# KiCad board Right.kicad_pcb (continued)
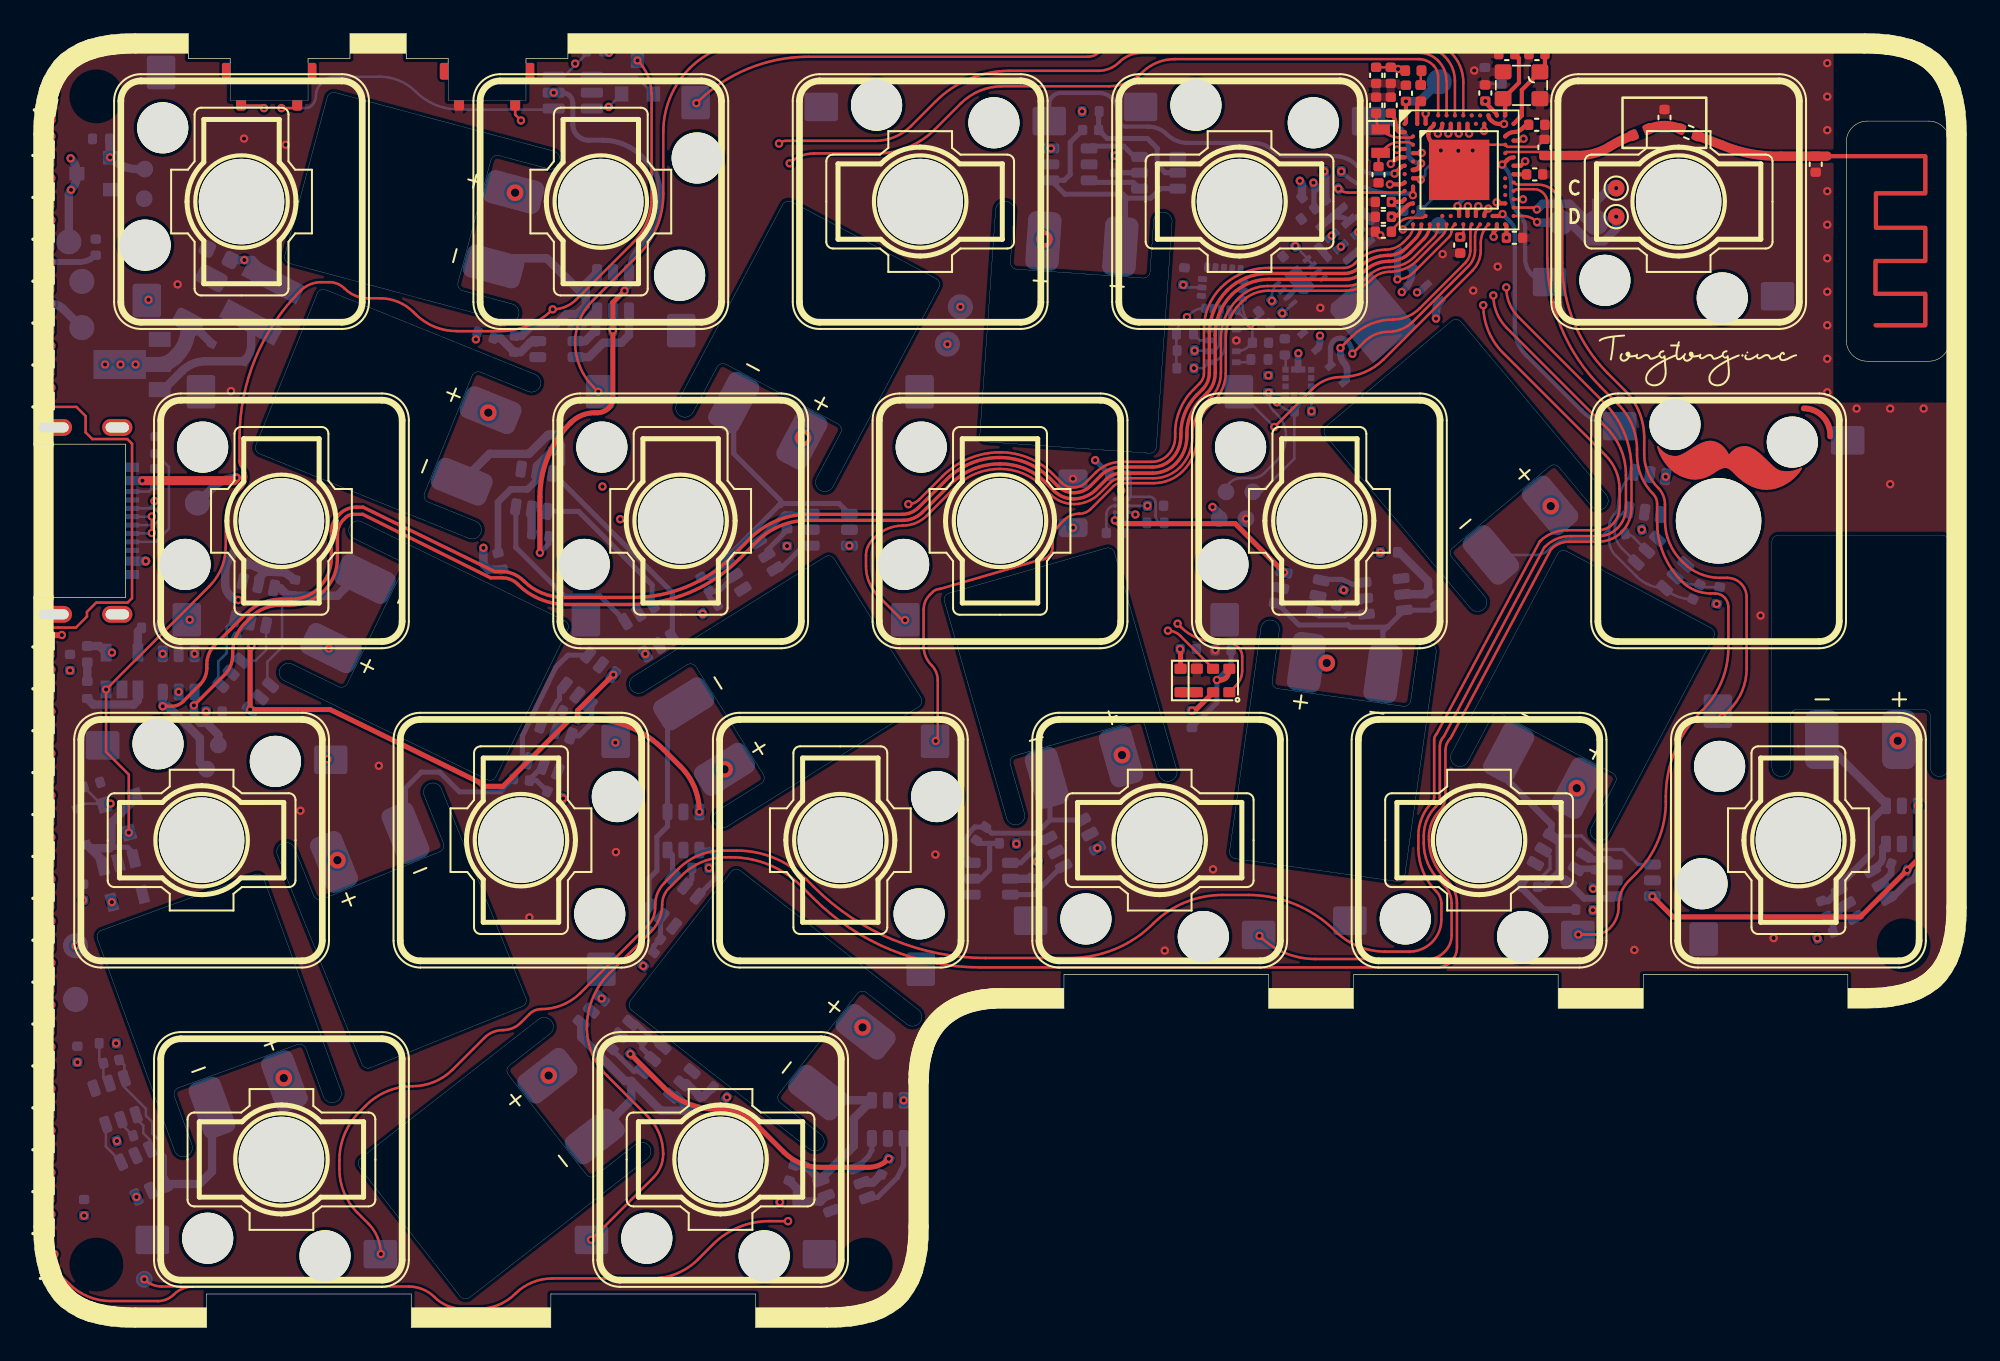
[diagram p0: board, top side]
## Routing (per net, layer and track width the routed paths; a pad name or vN(x,y) marks a point on that pad's centre or on a via; arc(x,y) is an arc through that point) (continued)
/MCU/D-: length 102.3
  Top w0.2: v2(7.71,37.06) 8.25,37.06 arc(8.61,37.13) 8.91,37.33 9.93,38.35 arc(10.23,38.81) 10.34,39.34 10.34,39.57 arc(10.46,40.19) 10.81,40.72 12.67,42.58 arc(13.64,43.23) 14.79,43.45 15.4,43.45 arc(16.27,43.63) 17.02,44.12 arc(17.57,44.96) 17.77,45.93 17.77,47.47 arc(17.87,48) 18.17,48.45 18.24,48.51 arc(18.71,48.83) 19.27,48.94 19.65,48.94 27.5,45.1 27.9,45.1 arc(28.62,44.96) 29.23,44.55 arc(30.33,43.81) 31.64,43.55 35.75,43.55 arc(38.96,44.19) 41.69,46.02 42.76,47.08 arc(44.34,48.14) 46.21,48.51 51.8,48.51 arc(52.34,48.62) 52.8,48.93 54.47,50.6 arc(55.92,51.56) 57.63,51.9 arc(59.25,51.58) 60.63,50.66 61.07,50.22 arc(61.53,49.91) 62.08,49.8 arc(62.59,49.91) 63.03,50.2 63.67,50.83 arc(64.22,51.2) 64.87,51.33 66.75,51.33 arc(67.36,51.46) 67.87,51.8 arc(68.29,52.42) 68.44,53.16 68.44,53.32 arc(68.69,54.58) 69.4,55.65 69.74,55.98 arc(70.03,56.43) 70.14,56.95 70.14,59.3 arc(70.41,60.7) 71.21,61.88 arc(72.31,62.62) 73.62,62.88 78.19,62.88 arc(78.69,62.98) 79.11,63.26 arc(79.88,63.78) 80.8,63.96 arc(81.39,64.08) 81.89,64.42 82.43,64.96 arc(82.7,65.35) U30.AD4
  Bottom w0.5: U28.6 v2(7.71,37.06) 8.02,37.06 9.93,35.15 9.93,33.71 REF**#11.1
/MCU/PDM_CLK: length 8.8
  Top w0.25: v2(82.8,70.08) 82.79,70.06 U30.H2
  In1.Cu w0.15: v2(79.02,65.35) 79.02,66.89 arc(79.4,68.83) 80.51,70.48 arc(80.93,70.77) 81.42,70.86 81.64,70.86 arc(82.11,70.77) 82.51,70.5 82.71,70.3 arc(82.78,70.2) v2(82.8,70.08)
/MCU/PDM_DAT: length 8.1
  Top w0.25: v2(81.33,70.27) 81.37,70.31 U30.G1
  In1.Cu w0.15: v2(77.98,64.48) 78.41,64.48 arc(78.91,64.58) 79.33,64.86 arc(79.47,65.09) 79.53,65.35 79.53,67.09 arc(79.84,68.67) 80.74,70.01 80.76,70.03 arc(81.02,70.21) v2(81.33,70.27)
/MCU/SWC: length 7.9
  Top w0.15: U30.AA24 89.41,66.81 arc(89.56,66.79) v2(89.68,66.7)
  Bottom w0.5: v2(94.41,67.97) 94.01,67.97 93.21,67.17 REF**#13.1 ; 92.76,65.92 91.64,67.04 90.02,67.04 v2(89.68,66.7)
/MCU/SWD: length 7.7
  Top w0.15: U30.AC24 88.82,66.31 arc(89.29,66.22) v2(89.69,65.95)
  Bottom w0.5: v2(94.41,66.27) 94.41,65.54 93.67,64.8 92.74,64.8 91.62,65.92 REF**#3.1 89.72,65.92 v2(89.69,65.95)
B1-: length 22.1
  Bottom w0.3: C1.2 31.57,52.67 31.57,51.55 Q11.6 ; Q3.1 38.11,43.85 31,50.95
  Bottom w0.5: B1.1 27.21,52.12 29.56,52.12 30.69,53.25 C1.2
B2-: length 11.5
  Bottom w0.15: 13.95,38.51 13.95,39.72 14.83,40.59 14.83,43.02 C2.2
  Bottom w0.5: Q12.6 14.71,44.12 15.17,43.66 C2.2 18.13,43.66 19.35,44.88
B3-: length 10.6
  Bottom w0.5: 47.43,13.55 Q5.1 48.93,12.47 48.93,10.82 46.96,8.86 Q13.6 46.05,9.67 C3.2
B4-: length 15.1
  Bottom w0.3: 65.13,67.45 65.21,67.37 66.65,67.37 67.22,67.94 Q14.6 ; 65.13,67.45 64.97,67.61 61.52,67.61 Q6.1 61.49,68.44 61.84,68.79 61.84,70.7 C4.2 ; 65.13,67.45 65.13,64.81
B5-: length 15.4
  Bottom w0.15: C5.2 5.42,15.65 Q15.6 5.42,14.34 6.71,13.05 6.71,12.63 7.08,12.26 7.08,11.57 7.52,11.13 7.52,10.58 7.88,10.22 Q7.1
  Bottom w0.5: B5.1 10.64,9.31 9.89,8.56 Q7.1
B6-: length 13.4
  Bottom w0.5: 32.94,61.47 32.94,60.95 32.45,60.46 31.79,60.46 31.12,59.79 Q16.6 29.73,59.79 29.09,59.15 C6.2 ; 32.94,61.47 30.63,63.78 27.75,63.78 ; 32.94,61.47 32.94,62.26 Q8.1
B7-: length 13.4
  Bottom w0.3: B7.1 80.49,41.53 80.75,41.78 ; 80.75,41.78 78.55,41.78 78.42,41.91 75.47,41.91 Q9.1 ; 80.75,41.78 80.76,41.78 Q17.6 83.38,42.8 C7.2
B8-: length 16.7
  Bottom w0.2: Q10.1 95.71,27.62 94.82,28.51 93.15,28.51 92.34,29.33 Q18.6
  Bottom w0.4: B8.1 87.99,32.57 90.54,30.02 Q18.6 90.99,28.88 90.99,27.18 90.1,26.3 C8.2
B9-: length 14.7
  Bottom w0.5: B9.1 35.66,13.57 35.66,14.71 ; Q23.6 38.33,13.83 C9.2 38.92,12.93 37.43,12.93 35.66,14.71 ; 35.66,14.71 35.29,14.71 32.66,17.33 Q19.1
B10-: length 18.3
  Bottom w0.3: 44.57,49.04 44.69,49.16 48.04,49.16 Q20.1 ; 44.57,49.04 44.46,49.04 41.31,45.89 Q24.6 40.4,44.76 C10.2 ; 44.57,49.04 44.57,49.34 41.77,52.13 B10.1
B11-: length 20.2
  Bottom w0.3: B11.1 22.19,32.18 23.14,33.13 24.23,33.13 25.41,31.95 27.86,31.95 C11.2 28.63,32.94 Q25.6 29.16,34.15 29.16,35.29 31.15,39.38 31.89,40.12 Q21.1
B12-: length 12.9
  Bottom w0.3: 37.82,36.24 Q22.1 37.82,29.9 37.19,29.27 37.19,27.25 36.72,26.79 Q26.6 ; C12.2 36.62,25.01
B13-: length 11.7
  Bottom w0.3: 60.63,30.28 60.63,32.61 ; 60.63,30.28 Q27.1 ; 60.63,30.28 59.85,29.49 57.14,29.49 C13.2 56.15,29.86 55.93,29.65 55.58,29.13 55.58,28.14 Q30.6
B14-: length 12.9
  Bottom w0.4: Q28.1 109.64,30.26 109.64,28.29 107.72,26.37 Q31.6 107.05,25.45 C14.2
  Bottom w0.5: 110.5,31.24 B14.1
B15-: length 18.2
  Bottom w0.15: B15.1 89.63,46.09 arc(90.03,46.17) 90.37,46.39 90.5,46.52 arc(91.08,46.92) 91.78,47.05 93.01,47.05 arc(93.37,47.12) 93.67,47.32 93.91,47.57 arc(93.97,47.65) 93.99,47.76 ; 93.99,47.76 93.99,46.97 arc(94.08,46.48) 94.36,46.07 95.63,44.8 arc(96.39,44.3) Q32.6 arc(98.02,43.63) 98.89,43.45 ; 93.99,47.76 arc(94.07,48.16) 94.3,48.5 94.3,48.51 arc(94.46,48.75) 94.52,49.02 arc(94.71,49.99) 95.25,50.8
B+: length 18
  In1.Cu w0.5: v2(33.94,50.17) 35,49.11 v2(35,48.22)
  In2.Cu w0.5: v2(17.62,40.5) 16.48,41.64 arc(14.53,42.94) v2(12.22,43.4)
  Bottom w0.15: v2(26.39,58.95) 26.49,59.06 R16.1 ; Q2.2 v2(34.31,72.82) 34.21,72.72 U3.6
  Bottom w0.5: R11.1 27.14,45.22 26.84,45.52 v2(26.84,46.51) ; v2(12.22,43.4) arc(12,43.45) 11.82,43.57 11.71,43.68 arc(11.51,43.98) 11.44,44.34 11.44,45.02 arc(11.56,45.65) R12.1
  Bottom w1: v1(77.14,39.64) 75.98,39.64
  vias: v1(14.93,14.88) v1(18.13,27.88) v1(27.13,54.58) v1(28.73,67.7) v1(30.73,15.03) v1(41.22,33.3) v1(45.9,53.08) v1(49.45,17.9) v1(60.3,64.93) v1(64.93,34.15) v1(90.5,49) v1(92.05,32.17) v1(111.2,35) v2(4.93,16.95) v2(31.58,31.57) v2(36.37,21.57) v2(39.92,42.59) v2(41.36,13.73) v2(44.52,7.48) v2(54.51,58.67) v2(58.63,28.85) v2(62.55,72.55) v2(80.34,46.24) v2(93.02,24.9) v2(100.4,43.17) v2(106.41,23.21)
CC1: length 7.3
  Bottom w0.15: R33.1 8.08,51.34 8.08,47.65 7.3,46.87 J1.A5
CC2: length 1.5
  Bottom w0.15: R34.1 6.92,49.87 J1.B5
P0.02: length 49.4
  Top w0.15: U30.A12 84.79,74.36 arc(84.63,75.16) 84.18,75.83 arc(83.58,76.23) 82.87,76.37 64.23,76.37 arc(63.88,76.3) 63.58,76.1 arc(63.26,75.89) 62.88,75.81 46.22,75.81 arc(42.6,75.09) v2(39.54,73.04)
P0.03: length 135.7
  Top w0.15: v2(33.27,5.23) 36.98,8.95 arc(37.41,9.59) 37.56,10.33 37.56,10.39 arc(37.32,11.58) 36.65,12.58 34.19,15.04 arc(33.31,16.35) 33.01,17.89 arc(33.36,19.65) 34.35,21.14 36.83,23.62 arc(37.32,24.36) 37.5,25.22 arc(37.6,25.76) 37.91,26.21 38.65,26.95 arc(39.87,27.77) 41.3,28.05 41.6,28.05 arc(43.89,27.6) 45.83,26.3 46.54,25.59 arc(51.09,22.55) 56.46,21.48 83.72,21.48 arc(84.56,21.83) 84.91,22.67 84.91,25.31 arc(84.76,26.04) 84.35,26.66 84.18,26.83 arc(83.48,27.88) 83.24,29.11 83.24,29.28 arc(83.41,30.12) 83.89,30.84 arc(84.13,31.21) 84.22,31.64 84.22,34.4 arc(84.3,34.82) 84.54,35.17 90.52,46.43 arc(91.02,46.77) 91.6,46.88 93.36,46.88 arc(94.1,47.03) 94.72,47.44 arc(95.16,48.11) 95.32,48.89 95.32,51.22 arc(94.89,53.37) 93.68,55.18 88.58,60.28 arc(88.04,61.09) v2(87.85,62.05)
  Top w0.25: U30.B13 85.04,71.29 arc(85.03,71.26) v2(85.01,71.23)
  In2.Cu w0.15: v2(85.01,71.23) 85.01,71.04 arc(85.04,70.9) 85.12,70.78 arc(85.23,70.71) 85.36,70.68 85.86,70.68 arc(86.1,70.64) 86.3,70.5 arc(86.56,70.11) 86.66,69.64 86.66,69.2 arc(86.79,68.53) 87.17,67.96 87.6,67.53 arc(88.31,66.47) 88.56,65.23 88.56,63.77 arc(88.37,62.84) v2(87.85,62.05)
P0.06: length 24.9
  Top w0.25: v2(81.19,68.84) 81.57,69.22 arc(81.67,69.29) U30.L1
  Bottom w0.25: K3.2 60.59,72.99 arc(60.64,73.24) 60.78,73.44 arc(61.01,73.6) 61.28,73.65 63.54,73.65 arc(63.98,73.57) 64.36,73.31 arc(64.56,73) 64.64,72.64 64.64,72.2 arc(64.68,71.98) 64.81,71.79 arc(64.97,71.68) 65.17,71.64 66.5,71.64 arc(67.1,71.52) 67.61,71.18 arc(68.17,70.81) 68.84,70.67 72.79,70.67 arc(73.42,70.55) 73.95,70.19 arc(74.28,69.97) 74.67,69.89 77.56,69.89 arc(78.31,69.75) 78.94,69.32 79.08,69.18 arc(79.45,68.93) 79.9,68.84 v2(81.19,68.84)
P0.07: length 4.6
  Top w0.3: v2(82.77,69.45) arc(82.75,69.34) 82.69,69.25 82.64,69.21 arc(82.48,69.1) U30.M2
  Bottom w0.3: v2(82.77,69.45) 82.73,69.45 arc(82.42,69.51) 82.17,69.68 arc(82.05,69.86) 82.01,70.07 82.01,70.47 arc(81.9,70.99) 81.61,71.43 81.57,71.47 arc(81.01,71.84) 80.36,71.97
P0.09: length 142.6
  Top w0.15: v2(20.72,4.38) arc(20.52,5.37) 19.96,6.21 19.32,6.85 arc(18.53,8.04) 18.25,9.44 18.25,9.98 arc(18.56,11.54) 19.44,12.85 19.83,13.24 arc(21.1,14.1) 22.6,14.39 arc(23.9,14.65) 25,15.39 26.9,17.28 arc(27.41,17.62) 28.01,17.74 arc(28.58,17.86) 29.07,18.18 29.59,18.7 arc(29.91,18.92) 30.29,18.99 arc(31.55,19.25) 32.63,19.96 36.65,23.99 arc(36.97,24.46) 37.08,25.02 37.08,25.17 arc(37.22,25.91) 37.64,26.54 38.46,27.35 arc(39.68,28.17) 41.11,28.45 41.95,28.45 arc(44.19,28.01) 46.1,26.74 46.55,26.28 arc(51.24,23.15) 56.78,22.04 61.84,22.04 arc(64.52,22.58) 66.79,24.09 arc(68.68,25.36) 70.92,25.8 72.46,25.8 arc(75.27,25.25) 77.65,23.65 arc(79.01,22.74) 80.62,22.42 82.07,22.42 arc(83.42,22.98) 83.98,24.33 83.98,25.29 arc(83.9,25.68) 83.68,26.01 arc(82.88,27.2) 82.61,28.6 82.61,29.35 arc(82.82,30.43) 83.43,31.33 arc(83.52,31.47) 83.55,31.62 83.55,35.05 arc(83.59,35.25) 83.7,35.41 89.85,46.89 arc(90.59,47.39) 91.46,47.56 93.32,47.56 arc(93.79,47.66) 94.19,47.92 arc(94.5,48.39) 94.61,48.94 94.61,50.03 arc(94.39,51.11) 93.79,52.01 87.66,58.14 arc(86.78,59.45) v2(86.48,60.99)
  Top w0.25: U30.L24 88.71,69.31 v2(88.98,69.58)
  In2.Cu w0.15: v2(88.98,69.58) 89.28,69.28 arc(89.5,68.95) 89.58,68.55 89.58,67.69 arc(89.52,67.4) 89.36,67.15 arc(89.25,66.99) 89.21,66.79 89.21,62.78 arc(89.07,62.09) 88.68,61.5 arc(88.11,61.13) 87.45,60.99 v2(86.48,60.99)
P0.10: length 9.1
  Top w0.25: v2(87.6,69.38) 87.63,69.38 87.9,69.65 arc(88.08,69.77) U30.J24
  Bottom w0.25: v2(87.6,69.38) 87.72,69.26 arc(88.03,68.8) 88.14,68.25 88.14,67.63 arc(88.27,66.94) 88.67,66.35 arc(88.9,66.01) 88.98,65.61 88.98,63.77 arc(89.08,63.26) 89.37,62.82 89.38,62.81 arc(89.86,62.49) K5.2
P0.13: length 51.6
  Top w0.15: U30.AD8 83.79,65.71 arc(83.71,65.34) 83.5,65.01 82.35,63.87 arc(81.68,63.42) 80.89,63.26 arc(80.21,63.13) 79.64,62.74 79.55,62.66 arc(78.97,62.27) 78.29,62.13 73.6,62.13 arc(72.68,61.95) 71.91,61.43 71.77,61.3 arc(71.07,60.25) 70.83,59.01 70.83,56.95 arc(70.67,56.15) 70.22,55.47 69.91,55.17 arc(69.33,54.3) 69.13,53.27 69.13,53.11 arc(68.93,52.14) 68.38,51.32 arc(67.66,50.84) 66.8,50.66 64.87,50.66 arc(64.52,50.59) 64.22,50.39 63.57,49.75 arc(62.88,49.29) 62.07,49.12 arc(61.3,49.28) 60.65,49.71 60.19,50.17 arc(59.02,50.95) 57.65,51.22 arc(56.19,50.93) 54.95,50.11 53.27,48.42 arc(52.62,47.99) 51.87,47.84 arc(50.96,47.66) 50.19,47.15 50.06,47.01 arc(49.76,46.57) 49.66,46.05 49.66,45.41 arc(49.85,44.44) 50.4,43.62 51.7,42.32 arc(51.83,42.24) v2(51.99,42.2)
P0.15: length 52.2
  Top w0.15: U30.AD10 84.29,65.76 arc(84.22,65.43) 84.04,65.15 82.56,63.68 arc(81.79,63.16) 80.89,62.98 arc(80.31,62.87) 79.83,62.54 79.75,62.47 arc(79.07,62.01) 78.27,61.85 73.63,61.85 arc(72.8,61.69) 72.11,61.22 71.99,61.1 arc(71.34,60.14) 71.12,59 71.12,56.98 arc(70.93,56.04) 70.4,55.24 70.09,54.93 arc(69.58,54.18) 69.41,53.29 69.41,53.14 arc(69.19,52.04) 68.56,51.1 arc(67.76,50.56) 66.82,50.37 64.85,50.37 arc(64.63,50.33) 64.44,50.2 63.06,48.83 arc(62.76,48.63) 62.4,48.55 arc(61.91,48.46) 61.49,48.18 61.23,47.91 arc(60.9,47.43) 60.79,46.85 60.79,46.55 arc(60.73,46.29) 60.59,46.06 60.56,46.04 arc(60.23,45.82) 59.85,45.74 54.08,44.06 arc(53.84,44.02) 53.63,43.88 53.46,43.7 arc(53.19,43.31) 53.1,42.84 53.1,40.63 arc(53.22,40.03) 53.56,39.52 arc(53.84,39.1) 53.94,38.61 53.94,35.28 arc(53.91,35.13) v2(53.82,34.99)
P0.24: length 21.4
  Top w0.15: v2(74.02,53.72) 76.3,56 arc(77.07,56.52) 77.99,56.7 arc(79.36,56.98) 80.53,57.76 85.82,63.04 arc(86.19,63.61) 86.33,64.28 86.33,64.7 arc(86.45,65.3) U30.AD20
  Bottom w0.15: 71.92,55.82 v2(74.02,53.72)
P0.25: length 16.7
  Top w0.25: U30.AC21 87.35,66.31 arc(87.5,66.34) v2(87.63,66.43)
  Bottom w0.25: v2(87.63,66.43) 88.13,65.92 arc(88.3,65.68) 88.36,65.38 88.36,59.66 arc(88.53,58.77) 89.04,58.01 92.33,54.72 arc(93.38,54.02) K10.1
P0.28: length 90
  Top w0.25: U30.B11 84.54,71.58 arc(84.5,71.39) v2(84.39,71.23)
  In1.Cu w0.15: v2(84.39,71.23) 84.39,72.64 arc(84.19,73.65) 83.63,74.49 83.4,74.72 arc(82.47,75.34) 81.38,75.56 46.54,75.56 arc(44.99,75.25) 43.68,74.37 43.53,74.23 arc(42.51,72.71) 42.16,70.91 arc(41.88,69.54) 41.11,68.37 40.19,67.45 arc(39.68,67.11) 39.08,66.99 arc(38.12,66.8) 37.3,66.26 31.91,60.87 arc(30.31,59.8) 28.42,59.42 28.08,59.77 15.56,63.08 arc(14.26,62.83) 13.17,62.09 12.93,61.85 arc(12.33,61.45) 11.62,61.31 v2(6.86,61.31)
P0.29: length 104.9
  Top w0.15: U30.A10 84.29,74.36 arc(84.16,75.02) 83.78,75.58 83.78,75.58 arc(83.27,75.92) 82.67,76.04 66.09,76.04 arc(65.38,75.9) 64.77,75.49 arc(64.19,75.11) 63.51,74.97 58.21,74.97 arc(55.83,74.5) 53.82,73.15 52.35,71.69 arc(51.36,71.03) 50.2,70.79 44.85,70.79 arc(44.64,70.75) v2(44.47,70.63)
  In1.Cu w0.15: v2(17.54,33.9) 14.77,36.67 arc(14.04,37.77) 13.78,39.07 arc(14,40.2) 14.64,41.16 16.96,43.48 arc(17.83,44.78) 18.14,46.31 18.14,48.47 arc(18.19,48.73) 18.34,48.95 arc(18.59,49.12) 18.89,49.18 18.95,49.18 25.48,46.42 26.04,45.86 arc(26.41,45.61) 26.85,45.52 arc(27.29,45.61) 27.67,45.86 28.02,46.21 arc(28.54,47) 28.73,47.93 28.73,50.55 arc(28.85,51.19) 29.22,51.73 30.62,53.14 arc(31.59,54.6) 31.94,56.31 arc(32.53,59.29) 34.21,61.81 37.02,64.62 arc(37.97,65.25) 39.09,65.47 arc(40,65.66) 40.78,66.17 43.92,69.32 arc(44.33,69.92) v2(44.47,70.63)
P0.30: length 100
  Top w0.25: v2(83.77,71.23) 83.81,71.28 arc(83.98,71.52) U30.B9
  In1.Cu w0.15: v2(83.77,71.23) 83.77,71.57 arc(83.57,72.57) 83.01,73.41 arc(81.25,74.59) 79.17,75 47.59,75 arc(45.84,74.66) 44.36,73.66 44.03,73.34 arc(43.32,72.27) 43.07,71.01 43.07,71.01 arc(42.76,69.47) 41.89,68.16 40.38,66.65 arc(39.79,66.26) 39.1,66.12 arc(37.86,65.88) 36.81,65.18 33.09,61.46 arc(31.82,59.56) 31.38,57.32 31.38,56.32 arc(31.07,54.79) 30.21,53.49 28.86,52.15 arc(28.41,51.48) 28.26,50.68 28.26,48.15 arc(28.09,47.29) 27.6,46.55 27.22,46.18 arc(27.04,46.06) 26.83,46.01 arc(26.62,46.05) 26.45,46.17 25.75,46.87 18.84,49.67 arc(18.42,49.58) 18.07,49.35 18.06,49.33 arc(17.87,49.06) 17.81,48.73 17.81,48.08 arc(17.55,46.81) 16.83,45.73 14.53,43.43 arc(13.19,42.53) 11.6,42.21 9.34,42.21 arc(9.33,42.22) v2(9.32,42.22)
P0.31: length 82
  Top w0.15: U30.A8 83.79,74.59 arc(83.71,74.98) 83.49,75.31 arc(83.09,75.58) 82.62,75.67 68.07,75.67 arc(67.01,75.46) 66.12,74.86 arc(65.22,74.26) 64.16,74.05 57.79,74.05 arc(56.45,73.79) 55.31,73.02 53.76,71.48 arc(52.17,70.42) 50.3,70.04 46.53,70.04 arc(45.76,69.89) v2(45.11,69.45)
  In1.Cu w0.15: v2(45.11,69.45) 42.63,66.98 arc(41.6,65.43) 41.24,63.61 arc(40.94,62.12) 40.09,60.85 38.56,59.32 arc(37.34,57.49) 36.91,55.32 36.91,52.55 arc(36.73,51.66) 36.23,50.9 arc(35.84,50.33) 35.71,49.65 35.71,42.67 arc(35.5,41.65) 34.92,40.78 34.37,40.23 arc(33.82,39.4) 33.63,38.43 33.63,37.5 arc(33.91,36.09) v2(34.71,34.89)
P1.04: length 53.9
  Top w0.15: v2(92.15,23.44) 93.11,23.44 arc(93.61,23.54) 94.03,23.82 arc(94.42,24.41) 94.56,25.1 94.56,25.18 arc(94.71,25.98) 95.16,26.65 95.6,27.08 arc(96.91,29.04) 97.37,31.36 97.37,31.66 arc(97.91,34.42) 99.47,36.75 99.56,36.83 arc(100.7,38.54) 101.1,40.55 101.1,42.99 arc(100.86,43.56) 100.3,43.79 100.04,43.79 arc(99.11,43.98) 98.33,44.5 98.32,44.51 arc(97.23,46.14) 96.85,48.07 96.85,49.15 arc(96.78,49.47) 96.61,49.73 arc(95.9,50.8) 95.65,52.05 95.65,52.39 arc(95.36,53.84) 94.54,55.06 93.49,56.11 arc(91.13,59.65) 90.3,63.82 90.3,67.11 arc(90.06,67.68) 89.5,67.91 88.53,67.91 arc(88.4,67.89) U30.U24
P1.06: length 39.2
  Top w0.15: v2(100.73,36.4) 101.16,36.84 arc(101.92,37.97) 102.19,39.31 102.19,43.56 arc(101.85,44.38) 101.03,44.72 100.6,44.72 arc(99.41,44.96) 98.41,45.63 98.3,45.74 arc(97.57,46.83) 97.32,48.12 97.32,49.1 arc(97.21,49.64) 96.91,50.09 arc(96.29,51.01) 96.08,52.1 96.08,53.09 arc(95.77,54.63) 94.9,55.93 93.92,56.91 arc(91.9,59.94) 91.19,63.51 91.19,66.64 arc(91.06,67.25) 90.72,67.77 arc(90.26,68.08) 89.73,68.18 88.6,68.18 arc(88.43,68.22) U30.R24
P1.14: length 72.6
  Top w0.15: v2(73.13,23.36) arc(74.66,22.34) 76.46,21.98 83.19,21.98 arc(83.69,22.09) 84.13,22.37 84.2,22.44 arc(84.49,22.88) 84.59,23.39 84.59,25.31 arc(84.47,25.9) 84.14,26.39 83.84,26.69 arc(83.16,27.7) 82.93,28.89 82.93,29.34 arc(83.11,30.28) 83.65,31.07 arc(83.82,31.34) 83.89,31.65 83.89,34.68 arc(83.95,35) 84.13,35.26 90.11,46.52 90.17,46.59 arc(90.86,47.05) 91.68,47.21 93.34,47.21 arc(93.96,47.34) 94.48,47.68 arc(94.85,48.25) 94.99,48.92 94.99,50.87 arc(94.68,52.4) 93.82,53.69 87.88,59.63 arc(87.29,60.52) v2(87.08,61.57)
  Top w0.25: U30.B15 85.54,71.46 arc(85.56,71.34) v2(85.63,71.23)
  In2.Cu w0.15: v2(87.08,61.57) 87.89,61.57 arc(88.15,61.62) 88.36,61.77 arc(88.74,62.34) 88.88,63.02 88.88,65.22 arc(88.61,66.58) 87.84,67.73 87.42,68.16 arc(87.09,68.64) 86.98,69.21 86.98,69.67 arc(86.87,70.23) 86.55,70.7 86.29,70.96 arc(85.99,71.16) v2(85.63,71.23)
P1.15: length 71.9
  Top w0.15: U30.A14 85.29,74.29 arc(85.1,75.25) 84.56,76.05 arc(83.85,76.53) 83.01,76.69 42.93,76.69 arc(40.88,76.29) 39.14,75.12 arc(37.97,73.39) 37.57,71.33 37.57,67.64 arc(37.17,65.64) 36.04,63.94 33.34,61.25 arc(32.58,60.1) 32.31,58.75 arc(32.59,57.32) 33.4,56.11 v2(33.69,55.82)
SCL: length 64.8
  Top w0.15: 70.35,39.32 68.4,41.27 arc(68.06,41.5) v2(67.67,41.57)
  Top w0.25: v2(82.27,67.56) 82.29,67.57 U30.T2
  In1.Cu w0.15: v2(78.01,68.97) 77.01,67.97 arc(76.26,66.86) 76,65.54 76,64.3 arc(75.83,63.45) 75.34,62.73 v2(73.87,61.25) arc(73.68,60.32) 73.16,59.53 72.16,58.53 arc(72.02,58.45) 71.87,58.41 70.72,58.41 arc(70.5,58.46) 70.31,58.58 arc(70.12,58.71) 69.9,58.75 69.22,58.75 arc(69.06,58.72) 68.93,58.63 arc(68.82,58.48) 68.79,58.3 68.79,57.78 arc(68.81,57.67) 68.87,57.58 v2(69.22,57.23) arc(69.33,56.65) 69.67,56.15 69.9,55.91 ; 69.9,55.91 73.33,55.91 arc(73.51,55.88) v2(73.67,55.77) ; 69.9,55.91 arc(69.19,55.77) 68.6,55.37 68.37,55.14 arc(67.97,54.56) 67.84,53.86 67.84,52.52 arc(67.72,51.94) 67.4,51.45 66.58,50.63 arc(65.8,50.11) v2(64.88,49.93) arc(65.09,49.61) 65.17,49.23 65.17,47.61 arc(65.82,44.34) v2(67.67,41.57)
  Bottom w0.15: v2(69.22,57.23) 69.79,57.23 U35.4 arc(70.47,57.65) 70.75,57.84 arc(70.99,58.19) 71.07,58.6 71.07,59.68 arc(71.09,59.81) 71.17,59.92 71.22,59.97 arc(71.3,60.1) 71.33,60.25 U34.2 ; 73.8,55.64 U40.1 ; v2(64.88,49.93) 64.9,49.9 U31.A2 ; v2(73.67,55.77) 73.67,55.4 arc(73.75,55.01) 73.97,54.68 74.2,54.45 arc(74.58,53.89) 74.71,53.23 74.71,53.15 arc(74.54,52.33) 74.08,51.64 73.44,50.99 arc(73.08,50.76) 72.66,50.67 72.02,50.67 arc(71.67,50.6) 71.37,50.4 71.35,50.38 arc(71.18,50.14) REF**#5.1 ; 73.87,61.53 arc(73.94,61.91) U36.4
  Bottom w0.25: v2(82.27,67.56) 82.18,67.65 81.21,67.65 arc(79.47,67.99) v2(78.01,68.97)
SDA: length 65.9
  Top w0.15: U37.1 71.72,38.28 arc(72,38.71) 72.1,39.2 72.1,40.03 arc(72.04,40.32) 71.88,40.56 arc(71.46,40.85) 70.96,40.94 70.44,40.94 arc(69.38,41.16) 68.48,41.76 v2(68.24,41.99) ; U30.U1 arc(81.68,67.74) 81.55,67.71 78.39,67.71 arc(78.09,67.77) v2(77.84,67.94)
  In1.Cu w0.15: v2(77.84,67.94) 77.23,67.33 arc(76.61,66.4) 76.39,65.3 76.39,63.75 arc(76.14,62.51) 75.44,61.46 v2(74.49,60.51) arc(74.48,60.45) 74.44,60.4 72.35,58.3 arc(72.15,58.17) 71.91,58.12 70.27,58.12 arc(70.17,58.15) 70.08,58.2 arc(69.99,58.26) 69.88,58.28 v2(69.26,58.28) arc(69.33,57.92) 69.53,57.62 70.39,56.76 arc(70.94,56.39) 71.59,56.26 73.69,56.26 arc(73.87,56.23) 74.03,56.12 arc(74.13,55.96) 74.17,55.77 v2(74.17,55.2) 69.53,55.2 arc(69.08,55.11) 68.7,54.85 arc(68.32,54.29) 68.19,53.62 68.19,52.6 arc(68.03,51.82) 67.59,51.15 66.29,49.85 arc(65.87,49.23) v2(65.73,48.5) 65.73,48.07 arc(66.38,44.78) v2(68.24,41.99)
  Bottom w0.15: v2(69.26,58.28) 70.1,58.28 ; REF**#17.1 73.23,49.85 75.21,51.83 R56.1 arc(74.75,54.76) 74.36,55.02 v2(74.17,55.2) ; 65.3,48.63 65.6,48.63 v2(65.73,48.5) ; 74.55,60.51 U36.1 ; U34.3 70.83,60.35 arc(70.81,60.27) 70.77,60.19 arc(70.73,60.14) 70.72,60.07 70.72,58.73 arc(70.68,58.53) 70.57,58.36 arc(70.43,58.27) 70.27,58.24 ; 75.36,54.82 arc(75.61,55.19) U40.11
Net-(AE1-Pad1): length 15.9
  Top w0.15: R39.2 100.5,70.59 103.06,69.9 106.99,69.88
  Top w0.556: R39.2 100.71,70.54 arc(102.43,70.03) 104.23,69.88 106.99,69.88
Net-(C1-Pad1): length 8.1
  Bottom w0.4: R11.2 27.71,49.24 28.47,50 29.46,50 30.03,50.57 Q11.5 30.03,51.45 30.87,52.29 C1.1
Net-(C2-Pad1): length 4.1
  Bottom w0.5: 13.84,45.1 15,45.05 C2.1 ; 13.84,45.1 13.41,44.67 Q12.5 ; 13.84,45.1 13.14,45.44 R12.2
Net-(C3-Pad1): length 3.3
  Bottom w0.5: C3.1 45.54,8.29 R13.2 46.94,7.51 Q13.5
Net-(C4-Pad1): length 7.4
  Bottom w0.3: Q14.5 67.51,68.89 67.03,69.37 67.03,70.35 66.45,70.93 64.05,70.93 C4.1 63.54,72.52
Net-(C5-Pad1): length 2.6
  Bottom w0.15: Q15.5 4.17,14.91 C5.1 3.92,16.01 R15.2
Net-(C6-Pad1): length 3.2
  Bottom w0.5: Q16.5 30.01,58.77 29.64,58.77 29.06,58.19 C6.1 27.84,59.03 R16.2
Net-(C7-Pad1): length 4.7
  Bottom w0.5: R17.2 81.48,46.24 83.19,44.53 C7.1 83.01,43.74 Q17.5
Net-(C8-Pad1): length 7.3
  Bottom w0.2: Q18.5 90.46,28.11 90.46,27.37 89.96,26.87 89.31,26.87 C8.1
  Bottom w0.4: C8.1 88.77,26.21 90.05,24.93 R18.2
Net-(C9-Pad1): length 2.4
  Bottom w0.5: Q23.5 38.96,14.56 C9.1 39.97,13.78 R23.2
Net-(C10-Pad1): length 2.9
  Bottom w0.3: Q24.5 40.88,43.93 C10.1 40.31,43.59 R24.2
Net-(C11-Pad1): length 2.5
  Bottom w0.3: C11.1 30.01,32.62 R25.2 ; 29.58,32.68 Q25.5
Net-(C12-Pad1): length 2.2
  Bottom w0.3: 37.4,24.46 C12.1 37,22.77 R26.2
Net-(C13-Pad1): length 4.3
  Bottom w0.3: 57.04,28.88 R30.2 ; 57.04,28.88 57.04,27.31 56.5,26.77 Q30.5 ; 57.04,28.88 56.42,28.88 C13.1
Net-(C14-Pad1): length 2.6
  Bottom w0.4: R31.2 107.35,24.17 C14.1 107.45,24.54 Q31.5
Net-(C15-Pad1): length 2.6
  Bottom w0.15: R32.2 99.73,44.18 arc(99.55,44.21) C15.1 ; Q32.5 arc(98.48,44.45) 99.15,44.32
Net-(C22-Pad1): length 3.1
  Top w0.15: U30.D2 82.22,70.99 81.54,70.99 arc(80.9,71.12) X1.1 arc(80.16,71.78) 80.09,72.12 C22.1
Net-(C23-Pad1): length 3.1
  Top w0.15: C23.1 80.23,69.78 arc(80.26,69.95) X1.2 80.65,70.38 arc(81.02,70.63) 81.46,70.72 81.92,70.72 arc(82.12,70.68) U30.F2
Net-(C26-Pad2): length 1.6
  Top w0.25: U30.C1 81.6,71.31 arc(81.36,71.41) 81.27,71.64 81.27,71.7 arc(81.19,72.1) C26.2
Net-(C27-Pad2): length 2.3
  Top w0.15: 81.05,65.51 81.46,65.91 arc(81.78,66.13) 82.16,66.2 82.77,66.2 arc(82.92,66.23) U30.AC5
Net-(C29-Pad1): length 12.4
  Top w0.15: C30.1 C29.1 81.3,75.18 v2(81.4,75.08) 81.72,75.08
  Top w0.25: U30.E24 88.61,70.81 arc(88.75,70.84) v2(88.88,70.92) ; v2(83.04,72.41) U30.B5
  In2.Cu w0.25: v2(81.4,75.08) 82.31,74.17 arc(82.85,73.37) v2(83.04,72.41) 85.15,72.41 arc(86.18,72.21) 87.06,71.62 arc(87.83,71.11) 88.75,70.92 v2(88.88,70.92)
Net-(C34-Pad2): length 0.8
  Top w0.25: U30.N24 88.31,68.79 C34.2
Net-(C35-Pad2): length 13.6
  Top w0.15: L3.1 93.78,70.32 92.46,69.92 C35.2 89.92,70.13 87.86,70.13 U30.H23
  Top w0.556: 90.09,69.92 92.03,69.92 arc(93.04,70.04) 93.98,70.42 arc(94.68,70.82) L3.1
Net-(C36-Pad2): length 3.8
  Top w0.25: C36.2 88.61,75.72 88.61,74.26 X2.3 ; U30.A23 87.79,73
Net-(C37-Pad2): length 4.5
  Top w0.25: X2.1 88.78,73.83 88.78,72.3 U30.B24 ; C37.2 90.16,75.22
Net-(C38-Pad1): length 1.6
  Top w0.25: U30.D23 87.84,71.12 arc(88.07,71.27) 88.34,71.32 arc(88.58,71.37) 88.78,71.51 88.91,71.64 arc(89.04,71.72) C38.1
Net-(C39-Pad2): length 4.1
  Top w0.15: R39.1 98.05,71.71 C39.2 96.52,71.71 L3.2
  Top w0.556: L3.2 arc(97.29,71.71) R39.1
Net-(C41-Pad2): length 1.9
  Bottom w0.15: C41.2 64,48.49 arc(64.04,48.71) 64.16,48.89 arc(64.32,48.99) U31.B3
Net-(C49-Pad1): length 0.8
  Bottom w0.15: U40.4 74.68,57.98
Net-(D1-Pad1): length 7.9
  Bottom w0.3: 5.98,28.27 5.6,28.65 4.63,28.65
  Bottom w0.5: 3.46,28.53 D1.1 ; 3.46,28.53 4.14,27.85 U1.1 ; 3.46,28.53 3.51,28.58 4.53,28.58 4.65,28.7 4.65,30.12 6.04,31.51
Net-(D2-Pad1): length 0.9
  Bottom w0.15: D2.1 86.61,74.2
Net-(D2-Pad2): length 2.4
  Top w0.25: v2(87.72,71.8) 87.42,71.8 arc(87.19,71.85) 86.99,71.99 86.88,72.09 arc(86.81,72.19) U30.A20
  Bottom w0.15: v2(87.72,71.8) 87.72,73.07
Net-(D3-Pad2): length 7.6
  Bottom w0.5: L4.2 12.98,58.63 arc(12.88,58.1) D3.2 arc(12.56,57.65) 12.55,57.64 10.26,57.64 arc(9.5,57.49) 8.86,57.06 7.9,56.11
Net-(D4-Pad1): length 1.1
  Bottom w0.5: R44.1 D4.1
Net-(J1-PadA6): length 18.7
  In1.Cu w0.15: v2(7.22,49.3) 7.82,48.7 7.82,48.24 8.36,47.7 9.89,47.7 11.05,46.54 11.05,44.46 9.93,43.34 8.68,43.34 8.36,43.02 8.36,40.86 9.03,40.19 v2(9.61,40.19)
  Bottom w0.15: 6.92,48.87 7.22,49.17 v2(7.22,49.3) ; 6.92,48.87 J1.B6 ; 6.92,48.87 7.2,48.87 7.5,48.57 7.5,48.2 7.17,47.87 J1.A6
Net-(J1-PadA7): length 10.8
  Top w0.15: v2(7.06,48.38) v2(7.06,47.4)
  In1.Cu w0.15: v2(7.06,47.4) 7.24,47.22 7.24,40.66 v2(7.71,40.19)
  Bottom w0.15: v2(7.06,47.4) 7.03,47.37 J1.B7 ; J1.A7 7.05,48.37 v2(7.06,48.38)
Net-(JP1-Pad1): length 80
  Top w0.15: v2(29.08,72.01) 28.73,72.36 U29.3
  In1.Cu w0.15: v2(29.08,72.01) arc(30.84,72.37) 32.34,73.36 34.72,75.75 arc(35.51,76.28) 36.45,76.46 85.45,76.46 arc(86.55,76.25) 87.48,75.62 arc(88.11,74.68) 88.33,73.57 88.33,72.37 arc(88.19,71.69) 87.8,71.11 82.57,65.88 arc(82.16,65.61) v2(81.68,65.51)
  Bottom w0.15: 83.63,67.52 R35.1 81.68,65.57 v2(81.68,65.51)
  Bottom w0.3: JP1.1 84.75,67.52 85.04,67.8 85.04,69.2 85.3,69.47 JP2.2
Net-(JP1-Pad2): length 1.8
  Top w0.25: U30.P2 82.67,68.56 v2(82.75,68.48)
  Bottom w0.15: v2(82.75,68.48) 83.01,68.75 83.01,69.07 83.41,69.47
Net-(JP2-Pad1): length 1.5
  Top w0.25: v2(84.94,66.89) 85.04,66.8 U30.AC13
  Bottom w0.25: v2(84.94,66.89) 84.94,66.97 85.49,67.52
Net-(L1-Pad2): length 0.8
  Top w0.15: L2.1 82.75,74.94
Net-(L2-Pad2): length 1.4
  Top w0.25: U30.B3 82.54,72.94 L2.2
Net-(Q2-Pad1): length 4.1
  Bottom w0.15: Q2.1 35.95,74.62 U3.4
Net-(Q10-Pad4): length 3.2
  Bottom w0.4: Q10.4 94.17,25.61 92.49,25.61 Q18.3
Net-(Q10-Pad6): length 2
  Bottom w0.4: Q10.6 93.98,27.93 92.76,27.93 Q18.1
Net-(Q11-Pad1): length 9.2
  Bottom w0.3: Q3.6 36.9,44.3 32.51,48.7 Q11.1
Net-(Q11-Pad2): length 1.5
  Bottom w0.5: R3.2 29.71,47.36 Q11.2
Net-(Q11-Pad3): length 10.8
  Bottom w0.3: Q11.3 28.77,46.54 31.66,43.65 33.78,43.65 35.29,42.14
Net-(Q12-Pad1): length 3.2
  Bottom w0.15: Q4.6 13.24,39.78 13.87,40.42 Q12.1
Net-(Q12-Pad2): length 1.2
  Bottom w0.15: 12.08,41.23 Q12.2
Net-(Q12-Pad3): length 4.3
  Bottom w0.15: 11.02,38.44 11.02,39.74 11.52,40.24 11.52,41.8 Q12.3
Net-(Q13-Pad1): length 2.1
  Bottom w0.3: 49.13,9.54 49.82,10.23 49.96,10.51 50.01,10.56 Q5.6
Net-(Q13-Pad2): length 1.4
  Bottom w0.5: Q13.2 50.07,8.64 R5.2
Net-(Q13-Pad3): length 4.7
  Bottom w0.3: Q13.3 50.33,7.75 51.54,8.96 51.84,9.59 51.91,9.65 Q5.4
Net-(Q14-Pad1): length 3.1
  Bottom w0.3: 63.08,68.32 65.6,68.32 Q14.1
Net-(Q14-Pad2): length 1.4
  Bottom w0.3: Q14.2 64.54,68.89
Net-(Q14-Pad3): length 2.8
  Bottom w0.3: 63.1,70.48 65.03,70.48 65.67,69.84
Net-(Q15-Pad1): length 2.2
  Bottom w0.15: Q7.6 6.95,11.18 6.55,11.58 6.55,12.04 6.12,12.47
Net-(Q15-Pad2): length 1
  Bottom w0.15: 5.22,12.17 R7.2
Net-(Q15-Pad3): length 2.6
  Bottom w0.15: Q15.3 4.31,10.8 5.22,9.89
Net-(Q16-Pad1): length 1.6
  Bottom w0.5: Q16.1 32.73,59.79 33.59,60.66
Net-(Q16-Pad2): length 1.4
  Bottom w0.5: R8.2 32.9,58.84 Q16.2
Net-(Q16-Pad3): length 5.2
  Bottom w0.5: Q16.3 33.13,57.89 33.99,58.75 35.07,58.75 35.52,59.2 Q8.4
Net-(Q17-Pad1): length 3.2
  Bottom w0.3: Q9.6 76.69,42.45 78.23,42.45 78.33,42.56 Q17.1
Net-(Q17-Pad2): length 1.9
  Bottom w0.3: R9.2 77.95,43.28 79.19,43.28 Q17.2
Net-(Q17-Pad3): length 2.4
  Bottom w0.3: 76.87,44.63 78.04,44.63 78.69,44.34 79.21,44.34
Net-(Q18-Pad2): length 1.1
  Bottom w0.4: Q18.2 93.13,27.37
Net-(Q19-Pad4): length 2.3
  Bottom w0.3: Q19.4 35.93,18.17 36.39,17.71 36.91,17.24 37.4,16.75
Net-(Q19-Pad6): length 2.5
  Bottom w0.3: 34.41,16.68 35.79,15.3 Q23.1
Net-(Q20-Pad4): length 2.7
  Bottom w0.3: Q24.3 44.56,45.26 45.95,46.64 Q20.4
Net-(Q20-Pad6): length 3.8
  Bottom w0.3: Q20.6 44.8,48.54 43.24,46.99
Net-(Q21-Pad4): length 2.7
  Bottom w0.3: Q25.3 32.53,35.3 33.3,36.06 33.3,37.04 Q21.4
Net-(Q21-Pad6): length 2.9
  Bottom w0.3: Q21.6 31.38,38.01 31.38,37.49 31.25,37.36 30.91,36.74 30.95,36.62 Q25.1
Net-(Q22-Pad4): length 4.1
  Bottom w0.3: Q22.4 40.33,28.49 40.83,27.99 40.83,26.94 39.62,25.74
Net-(Q22-Pad6): length 1.7
  Bottom w0.3: Q22.6 38.12,28.19 Q26.1
Net-(Q23-Pad2): length 1.3
  Bottom w0.3: Q23.2 36.29,16.67 R19.2
Net-(Q24-Pad2): length 2
  Bottom w0.3: Q24.2 43.74,46.36 44.95,47.56
Net-(Q25-Pad2): length 1.3
  Bottom w0.15: Q25.2 31.56,36.01 R21.2
Net-(Q26-Pad2): length 1.3
  Bottom w0.3: Q26.2 39.27,26.72 R22.2
Net-(Q27-Pad4): length 3.8
  Bottom w0.3: Q30.3 59.65,25.82 61.35,27.53
Net-(Q27-Pad6): length 2.7
  Bottom w0.3: Q30.1 58.89,27.72 60.37,29.21
Net-(Q28-Pad4): length 4.1
  Bottom w0.4: 112.44,28.81 112.44,27.4 112.16,26.71 111.81,26.56 110.85,25.6 Q31.3
Net-(Q28-Pad6): length 1.9
  Bottom w0.4: 109.71,27.25 110.2,27.73 110.3,27.98 110.3,28.65 Q28.6
Net-(Q29-Pad4): length 1.5
  Bottom w0.15: Q32.3 96.87,48.09 arc(96.91,48.32) Q29.4
Net-(Q29-Pad6): length 4
  Bottom w0.15: Q32.1 94.75,46.49 arc(94.43,46.96) 94.32,47.52 94.32,47.6 arc(94.41,48.08) 94.69,48.49 94.82,48.63 arc(94.98,48.73) Q29.6
Net-(Q30-Pad2): length 1.3
  Bottom w0.5: Q30.2 59.51,26.77 R27.2
Net-(Q31-Pad2): length 1.5
  Bottom w0.4: Q31.2 110.8,27.07 R28.2
Net-(Q32-Pad2): length 1.7
  Bottom w0.15: Q32.2 95.43,47.15 arc(95.2,47.3) R29.2
Net-(R43-Pad1): length 4.7
  Bottom w0.15: TH1.1 65.44,50.6 65.44,49.56 ; 65.44,49.56 66.55,49.56 arc(66.7,49.53) 66.84,49.44 arc(66.9,49.34) 66.93,49.23 66.93,48.46 arc(66.96,48.28) 67.07,48.12 arc(67.2,48.04) 67.36,48 ; 65.44,49.56 U31.A1
Net-(R43-Pad2): length 1.9
  Bottom w0.15: U31.C2 64.9,48.51 arc(64.93,48.35) 65.02,48.22 arc(65.26,48.06) 65.54,48 R43.2
Net-(R44-Pad2): length 3.9
  Bottom w0.5: R44.2 3.57,37.16 5.97,37.16 6.23,37.42 U33.1
Net-(R45-Pad1): length 1.6
  Bottom w0.5: U33.5 6.23,41.52 R45.1
Net-(U2-Pad3): length 18.5
  Top w0.15: v2(14.79,72.75) 15.58,72.75
  Bottom w0.15: 30.88,72.66 25.38,72.66 arc(23.98,72.94) 22.8,73.73 arc(21.81,74.39) 20.65,74.62 17.98,74.62 arc(17.6,74.55) 17.27,74.33 17.15,74.2 arc(16.92,73.87) 16.85,73.48 arc(16.79,73.18) 16.62,72.92 arc(16.42,72.8) 16.2,72.75 v2(14.79,72.75)
Net-(U4-Pad4): length 2.1
  Top w0.35: U5.1 0.36,71.23 1.13,72 U4.4
Net-(U5-Pad4): length 2.1
  Top w0.35: U6.1 0.36,68.68 1.06,69.38 U5.4
Net-(U6-Pad4): length 2.1
  Top w0.35: U6.4 1.06,66.88 0.36,66.18 U7.1
Net-(U7-Pad4): length 2.1
  Top w0.35: U7.4 1.06,64.38 0.36,63.68 U8.1
Net-(U8-Pad4): length 2.1
  Top w0.35: U8.4 1.06,61.88 0.36,61.18 U9.1
Net-(U10-Pad1): length 2.1
  Top w0.35: U9.4 1.06,59.38 0.36,58.68 U10.1
Net-(U10-Pad4): length 2.1
  Top w0.35: U10.4 1.06,56.88 0.36,56.18 U11.1
Net-(U11-Pad4): length 22.1
  Top w0.15: U11.4 2.56,54.92 3.11,54.37 3.11,53.4 3.51,53 5.6,53 5.88,52.72 5.88,43.51 5.61,43.24 3.74,43.24 3.19,42.69 3.19,42.41 2.53,41.76 1.48,41.76 1.48,41.75 0.81,41.75 U12.1
Net-(U12-Pad4): length 2.1
  Top w0.35: U13.1 0.36,39.36 1.06,40.06 U12.4
Net-(U13-Pad4): length 2.1
  Top w0.35: U14.1 0.36,36.86 1.06,37.56 U13.4
Net-(U14-Pad4): length 2.1
  Top w0.35: U14.4 1.06,35.06 0.36,34.36 U15.1
Net-(U15-Pad4): length 2.1
  Top w0.35: U16.1 0.36,31.86 1.06,32.56 U15.4
Net-(U16-Pad4): length 2.1
  Top w0.35: U16.4 1.06,30.06 0.36,29.36 U17.1
Net-(U17-Pad4): length 2.1
  Top w0.35: U17.4 1.06,27.56 0.36,26.86 U18.1
Net-(U18-Pad4): length 2.1
  Top w0.35: U18.4 1.06,25.06 0.36,24.36 U19.1
Net-(U19-Pad4): length 2.1
  Top w0.35: U20.1 0.36,21.86 1.06,22.56 U19.4
Net-(U20-Pad4): length 2.1
  Top w0.35: U20.4 1.06,20.06 0.36,19.36 U21.1
Net-(U21-Pad4): length 2.1
  Top w0.35: U22.1 0.36,16.86 1.06,17.56 U21.4
Net-(U22-Pad4): length 2.1
  Top w0.35: U22.4 1.06,15.06 0.36,14.36 U23.1
Net-(U23-Pad4): length 2.1
  Top w0.35: U23.4 1.06,12.56 0.36,11.86 U24.1
Net-(U24-Pad4): length 2.1
  Top w0.35: U25.1 0.36,9.36 1.06,10.06 U24.4
Net-(U25-Pad4): length 2.1
  Top w0.35: U25.4 1.06,7.56 0.36,6.86 U26.1
Net-(U26-Pad4): length 2.1
  Top w0.35: U26.4 1.06,4.99 0.58,4.5 0.58,3.7
Net-(U37-Pad3): length 1
  Top w0.6: U37.3 U37.4

## Copper pours and planes (outline as drawn; the poured copper is in the pictures)
GND on Top: 116.41,65.1 90.54,65.1 90.54,78.17 116.41,78.17
GND on Top: 116.41,17.17 56.41,17.17 56.41,-1.83 -1.59,-1.83 -1.59,78.17 116.41,78.17
GND on Bottom: 116.41,17.17 56.41,17.17 56.41,-1.83 -1.59,-1.83 -1.59,78.17 116.41,78.17
GND on In1.Cu: 116.41,17.17 56.41,17.17 56.41,-1.83 4.41,-1.83 4.41,78.17 116.41,78.17
VBUS on In2.Cu: 12.43,25.17 4.41,25.17 4.41,52.17 12.43,52.17
/BAROMETRIC/NRF_VDD on In2.Cu: 91.41,52.17 75.41,52.17 75.41,37.17 66.41,37.17 66.41,78.17 91.41,78.17
/LEDLane/Led_Ground on In1.Cu: 3.41,-1.83 -1.59,-1.83 -1.59,78.17 3.41,78.17
/LEDLane/Led_Vin on In2.Cu: 3.41,-1.83 -1.59,-1.83 -1.59,78.17 3.41,78.17
B+ on In2.Cu: 65.41,36.17 76.41,36.17 76.41,51.17 92.41,51.17 92.41,78.17 116.41,78.17 116.41,17.17 56.41,17.17 56.41,-1.83 4.41,-1.83 4.41,24.17 13.41,24.17 13.41,53.17 4.41,53.17 4.41,78.17 65.41,78.17

Small or netless copper shapes (teardrops, artwork), in the pictures only: 1 on Top

## Text on the board
B.Silkscreen: D- | + | 5V | GND | VBAT | LG | G | EN | DIN | B+ | Bg | 3V | R|G | -SWD- | C|D
F.Silkscreen: C | D
